# Altium PCB universkyNew.PcbDoc (continued)
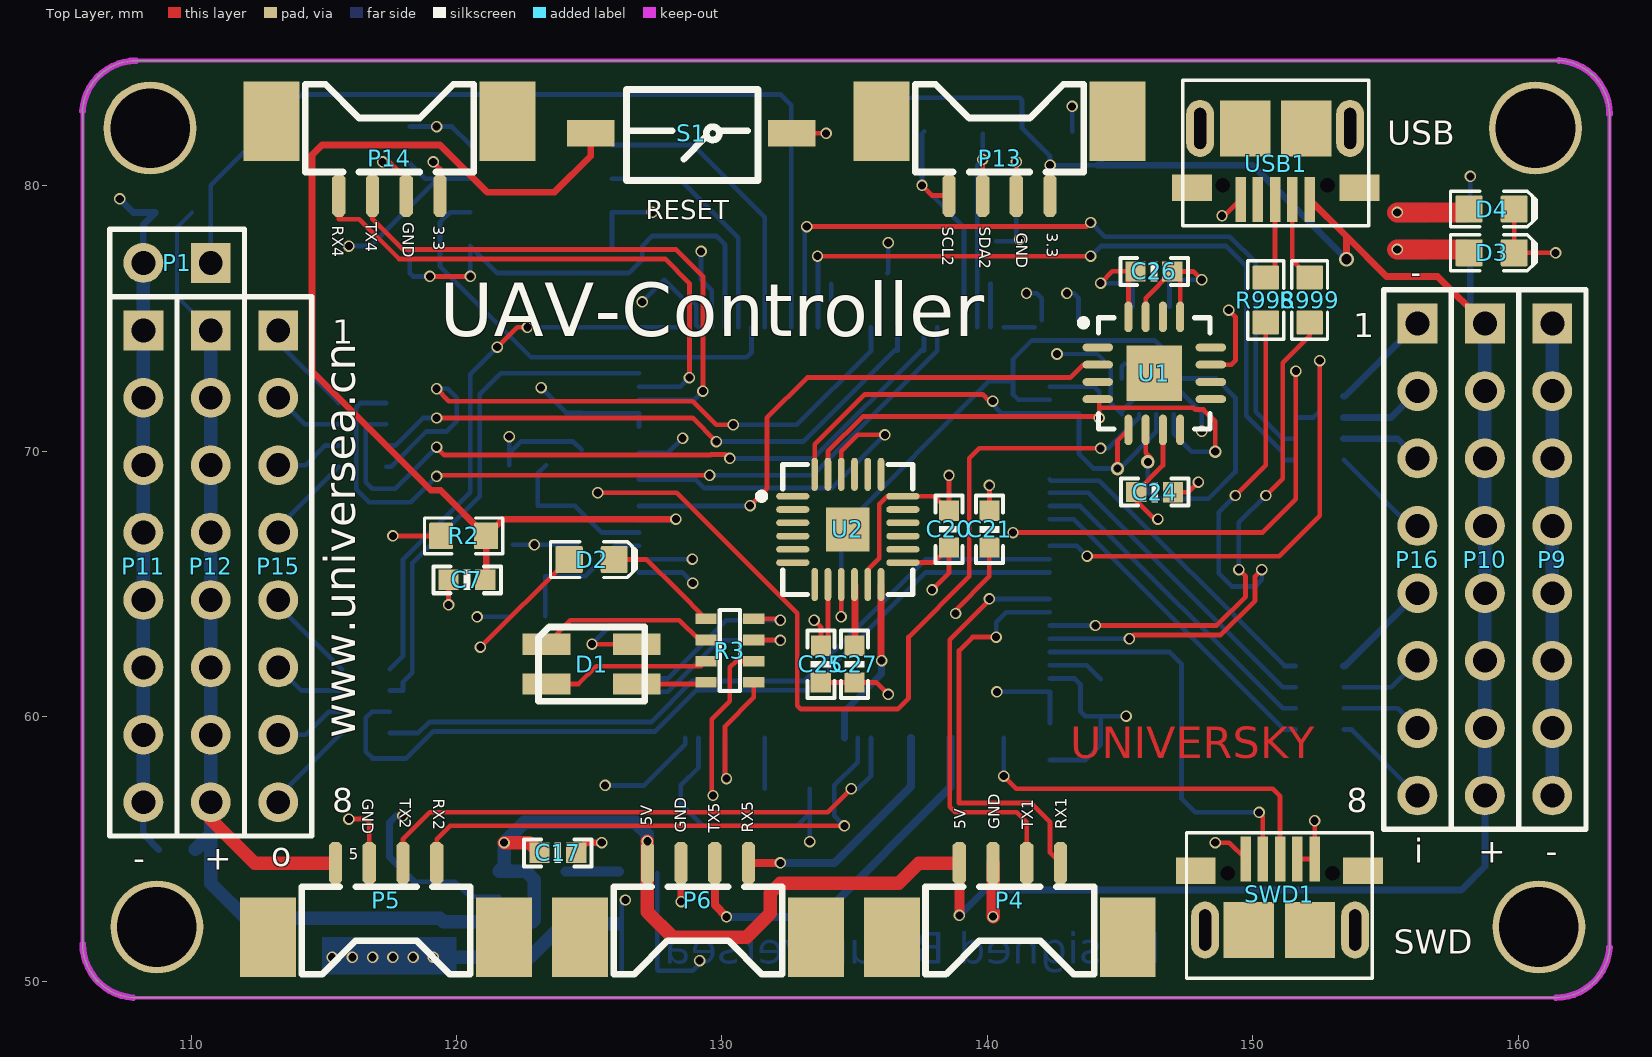
[diagram p0: Top Layer view]
## Footprints (in the part's own frame and the unit in brackets; to place one, negate y for a bottom-side part, rotate by r counter-clockwise, add the part's x,y. Pads: shape width x height; smd on the part's side, far side on the other; paste and mask are expansions set on the pad) (continued)

## Part data
B1: "MCU 32-Bit, ARM Cortex M4, 1MB Flash STMicroelectronics STM32F407VGT6, 32bit ARM Cortex M4F Microcontroller, 168MHz, 1024 kB Flash, 100-Pin LQFP"
B2: "LDO Regulator Pos 3.3V 0.5A MIC5219-3.3YM5 TR, Low Dropout Voltage Regulator, 0.5A, 3.3 V ??1%, 2.5 ??? 12 Vin, 5-Pin SOT-23"
C1 C2 C3 C4 C5 C6 C7 C8 C11 C12 C13 C14 C15 C16 C17 C18 C19 C20 C21 C22 C23 C24 C25 C26 C27 C28: "Capacitor"
C9 C10: library part CAP
D2 D3 D4: "Typical INFRARED GaAs LED"
P1: "Header, 2-Pin"
P2 P3 P7 P8 R3: library part "Header 4X2A", "Header, 4-Pin, Dual row"
P4 P5 P6 P13 P14: library part "Header 4", "Header, 4-Pin"
P9 P10 P11 P12 P15 P16: "Header, 8-Pin"
R1 R4 R7 R8 R9 R10 R11: "Resistor"
SWD1 USB1: "Header, 5-Pin"
Y1: "贴片有源晶振"

## Free pads (board coordinates)
  round 3.5 hole 3: 33(108.458,82.169) 33(108.712,52.07) 33(160.655,82.169) 33(160.782,52.07)

## Via types
v1: diameter 0.432, hole 0.305, Top Layer to Bottom Layer, 117 vias
v2: diameter 0.457, hole 0.305, Top Layer to Bottom Layer, 2 vias
v3: diameter 0.508, hole 0.305, Top Layer to Bottom Layer, 2 vias
v4: diameter 0.559, hole 0.381, Top Layer to Bottom Layer, 1 vias

## Nets (pads, with @x,y where several pads share a name; then routed paths per layer and width w, separated by ;. In a path a pad name is that pad's centre, name@x,y a point inside that pad or via, vN(x,y) a via of type N, cw(c..) or ccw(c..) an arc to the next point about the centre after c; other vN are vias at no path point)
3.3V: B1.6 B1.11 B1.19 B1.21 B1.22 B1.28 B1.50 B1.75 B1.100 B2.5 C2.2 C3.2 C4.2 C5.2 C6.2 C14.2 C15.2 C20.1 C21.1 C22.1 C23.1 C24.2 C25.2 C26.2 C28.1 D1.2 D2.1 P14.1 R2.2 R8.1 R11.2 SWD1.1 U1.7 U1.16 U2.8 U2.13 U3.6 U3.8 U4.3 U4.7 U4.8 | length 81.7
  Top Layer w0.178: v1(117.602,66.802) R2.2 ; v1(119.126,80.899) 119.38,80.645 P14.1 ; v1(120.904,62.611) 124.206,65.913 D2.1 ; v1(125.107,62.726) D1.2 ; v1(133.477,63.627) 133.732,63.372 C25.2 ; C25.2@133.997,62.933 U2.8 ; U2.13 137.99,65.798 C20.1 138.556,65.404 v1(137.922,64.77) ; v1(138.811,63.881) 138.811,64.008 140.08,65.277 C21.1 ; v1(144.272,76.327) 144.716,76.771 C26.2 ; U1.16 C26.2@145.318,76.502 ; v1(146.431,67.437) 146.304,67.437 145.612,68.129 C24.2 146.618,69.46 U1.7 146.618,70.044 ; v1(148.59,55.245) 149.12,55.245 SWD1.1
  Bottom Layer w0.178: v1(115.951,77.724) 116.752,77.724 R11.2 119.292,80.264 ; C28.1 118.816,80.264 119.292,80.264 ; U4.3 119.292,80.264 ; v1(123.19,72.39) 124.149,71.431 C6.2 ; B2.5 C14.2@126.16,52.263 ; C6.2@124.715,71.429 B1.22 B1.21 ; v1(125.107,62.726) 125.81,63.429 B1.6 ; v1(125.603,57.404) C3.2 128.62,58.953 B1.100 ; U4.8 U4.7 v1(127.381,78.994) ; C15.2 C14.2 126.227,52.948 v1(126.365,53.086) ; B1.11 v1(128.889,65.929) ; B1.19 127.968,69.929 v1(128.524,70.485) ; v1(129.216,77.527) C4.2 129.62,76.051 B1.28 ; v1(140.366,60.929) B1.75 ; B1.50 C2.2@141.794,74.667 ; v1(141.478,75.946) 141.872,75.946 142.056,75.762 C2.2 ; C5.2 B1.75@142.366,60.921 ; v1(144.272,76.327) C22.1@145.232,76.327 ; U3.8 145.072,73.19 145.161,73.279 146.304,73.279 146.372,73.211 U3.6 146.372,72.576 146.73,72.218 147.307,72.218 148.082,71.444 v1(148.082,70.739) ; C23.1 C22.1 ; R8.1 v1(158.203,80.352)
  Bottom Layer w0.508: v1(118.364,50.927) 122.769,50.927 B2.5
  other v1: 115.316,50.927 116.078,50.927 116.84,50.927 117.602,50.927 119.126,50.927
5V: B2.1 B2.3 C12.2 C13.2 C16.1 C17.1 C18.1 C19.1 P4.1 P5.1 P6.1 P10.1 P10.2 P10.3 P10.4 P10.5 P10.6 P10.7 P10.8 P12.1 P12.2 P12.3 P12.4 P12.5 P12.6 P12.7 P12.8 P13.1 R7.1 R9.1 R10.1 USB1.1 | length 153.6
  Top Layer w0.178: P13.1 v1(142.367,80.772)
  Top Layer w0.254: USB1.1 153.532,78.094 ; v4(153.532,77.227) 153.532,78.094 ; P10.1 156.972,76.581 155.045,76.581 153.532,78.094
  Top Layer w0.381: v1(138.947,52.504) P4.1
  Top Layer w0.508: P12.8 110.744,56.134 112.403,54.475 P5.1 ; v1(121.793,55.245) 122.753,55.245 C17.1 ; v1(127.195,55.3) P6.1 127.195,52.637 128.143,51.689 130.937,51.689 131.826,52.578 131.826,53.34 132.207,53.721 136.668,53.721 137.422,54.475 P4.1
  Bottom Layer w0.152: C16.1 109.474,78.43 109.474,75.819 P12.1
  Bottom Layer w0.178: R10.1 135.929,82.589 136.652,83.312 141.224,83.312 141.312,83.224 R9.1 142.367,81.114 v1(142.367,80.772) 144.145,80.772 144.583,81.21 C19.1
  Bottom Layer w0.254: v1(138.947,52.504) 139.91,53.467 157.861,53.467 158.75,54.356 P10.8 ; 144.145,80.772 149.987,80.772 v4(153.532,77.227) ; R7.1 158.203,74.969 P10.1@158.75,74.422
  Bottom Layer w0.508: C18.1 110.744,55.57 ; P12.1 P12.2 P12.3 P12.4 P12.5 P12.6 P12.7 P12.8 110.744,55.57 ; 122.875,52.263 B2.1 119.511,52.263 119.38,52.394 C12.2 112.071,52.394 110.744,53.721 110.744,55.57 ; 122.936,52.324 122.936,53.848 122.621,54.163 B2.3 121.793,54.351 v1(121.793,55.245) 122.555,56.007 126.746,56.007 127.195,55.558 v1(127.195,55.3) ; P10.8 P10.7 P10.6 P10.5 P10.4 P10.3 P10.2 P10.1@158.75,74.422
ADC_IN0/TIM5_CH1/USART4_TX: B1.23 P14.3 | length 21.1
  Top Layer w0.178: P14.3 116.84,78.74 117.983,77.597 128.27,77.597 129.286,76.581 v1(129.286,72.263)
  Bottom Layer w0.178: B1.23 128.952,71.929 v1(129.286,72.263)
ADC_IN1/TIM5_CH2/USART4_RX: B1.24 P14.4 | length 20.7
  Top Layer w0.178: P14.4 115.57,78.74 116.337,78.74 117.836,77.241 127.864,77.241 128.778,76.327 v1(128.778,72.771)
  Bottom Layer w0.178: B1.24 128.436,72.429 v1(128.778,72.771)
AGND: B1.20
BOOT0: B1.94 R1.1 | length 1.9
  Bottom Layer w0.178: R1.1@131.62,57.286 B1.94
BOOT1: B1.37 R4.2 | length 1.6
  Bottom Layer w0.178: B1.37 R4.2@134.12,76.296
DRDY: U1.10
GND: B1.10 B1.27 B1.74 B1.99 B2.2 C1.2 C2.1 C3.1 C4.1 C5.1 C6.1 C7.2 C8.1 C9.2 C10.1 C11.2 C12.1 C13.1 C14.1 C15.1 C16.2 C17.2 C18.2 C19.2 C20.2 C21.2 C22.2 C23.2 C24.1 C25.1 C26.1 C27.1 C28.2 D3.2 D4.2 P1.2 P4.2 P5.2 P6.2 P9.1 P9.2 P9.3 P9.4 P9.5 P9.6 P9.7 P9.8 P11.1 P11.2 P11.3 P11.4 P11.5 P11.6 P11.7 P11.8 P13.2 P14.2 R1.2 R4.1 S1.1 SWD1.4 SWD1.5 U1.11 U1.13 U1.15 U2.11 U2.18 U3.1 U3.7 U4.4 USB1.5 Y1.2 Y1.4 | length 159.7
  Top Layer w0.178: v1(115.951,56.134) 116.586,56.134 116.713,56.007 P5.2 ; v1(117.221,80.899) 117.475,80.899 118.11,80.264 P14.2 ; v1(119.704,64.205) C7.2 ; S1.1 v1(133.929,81.971) ; C25.1 C27.1 135.82,61.284 v1(136.271,60.833) ; U2.11 135.497,65.527 135.835,65.865 135.842,65.865 135.93,65.953 135.93,68.002 136.226,68.298 U2.18 138.008,68.298 C20.2 v1(138.558,69.087) ; C21.2 v1(140.082,68.706) ; P13.2 v1(141.097,80.899) ; U1.15 145.968,75.766 C26.1 147.767,76.769 v1(148.082,76.454) ; C24.1 147.573,68.452 v1(147.955,68.834) ; U1.13 C26.1@147.268,76.472 ; U1.11 149.2,73.254 149.352,73.406 149.352,75.057 v1(149.098,75.311) ; v1(148.844,78.867) 148.931,78.867 USB1.5 ; SWD1.4 SWD1.5 v1(152.334,56.073) ; D4.2 D3.2 v1(161.417,77.47)
  Top Layer w0.254: C17.2 124.899,55.245 v1(125.476,55.245) ; v1(128.465,53.027) P6.2
  Top Layer w0.508: v1(140.217,52.46) P4.2
  Bottom Layer w0.152: v2(142.621,73.66) 144.145,73.66 144.653,73.152 144.653,71.804 U3.1
  Bottom Layer w0.178: C28.2 119.831,82.226 U4.4 ; C12.1 C13.1 120.498,53.213 B2.2 ; v1(120.778,63.753) C9.2 ; C10.1 121.99,69.92 ; v1(121.99,70.542) 121.99,69.92 ; Y1.2@122.129,66.472 Y1.4 ; C6.1 124.404,70.358 122.428,70.358 121.99,69.92 ; B1.10 128.5,65.429 v1(128.905,65.024) ; v1(127,75.621) C4.1 ; C11.2 127.565,50.466 C15.1 128.904,50.42 129.159,50.675 v1(129.159,50.8) ; C4.1@127.762,76.383 C4.1 ; B1.99 129.12,58.071 C3.1 128.454,56.712 129.286,55.88 132.842,55.88 133.311,56.349 ; B1.27 129.037,74.75 129.037,75.515 128.88,75.671 128.614,75.671 C4.1 ; v1(133.311,55.284) 133.311,56.349 ; R1.2 133.311,56.349 ; R4.1 136.271,76.747 v1(136.271,77.851) ; C8.1 141.167,77.908 141.224,77.965 v1(141.224,77.978) ; v1@141.097,77.978 v1(141.097,80.899) ; B1.74 143.295,61.429 143.51,61.214 143.51,60.199 143.695,60.014 C1.2 ; C5.1 143.707,58.363 144.273,58.929 C1.2 ; v1(143.002,75.946) 143.256,75.946 143.44,75.762 C2.1 ; C19.2 v1(143.199,82.988) ; U3.1@145.072,71.501 145.722,72.151 U3.7 ; v1(145.231,60.014) C1.2 ; U3.7@145.722,72.583 U3.7 ; U3.7@145.722,72.619 U3.7 ; C23.2 C22.2 C22.2@146.997,76.582 ; C22.2@146.997,76.454 v1(148.082,76.454) 147.376,76.454
  Bottom Layer w0.254: v1(107.315,79.502) 107.824,78.993 C16.2 108.204,78.542 P1.2 P1.2@108.204,76.835 ; P11.8 108.204,55.568 C18.2 ; P11.7 P11.6 P11.5 P11.4 P11.3 P11.2 P11.1 ; v1(117.983,56.261) 117.729,56.261 117.475,56.007 117.475,54.712 C12.1
  Bottom Layer w0.508: P11.8 P11.7 P11.6 P11.5 P11.4 P11.3 P11.2 P11.1 P1.2@108.204,76.835 ; P9.8 P9.7 P9.6 P9.5 P9.4 P9.3 P9.2 P9.1
  other v1: 122.936,66.472 119.253,82.226
I2C1_SCL: B1.92
I2C1_SDA: B1.93
MPU_INT: B1.88 U2.12 | length 6.4
  Top Layer w0.254: v1@135.997,62.123 U2.12
  Bottom Layer w0.254: B1.88 134.62,60.198 136.017,61.595 v1(136.017,62.103) v1@135.997,62.123
NetB1_14: B1.14 C7.1 R2.1 S1.2 | length 40.5
  Top Layer w0.254: C7.1@121.119,65.181 R2.1 ; S1.2 125.062,81.12 123.698,79.756 121.158,79.756 119.38,81.534 114.935,81.534 114.554,81.153 114.554,73.008 119.037,68.525 119.396,68.525 R2.1 ; v1@128.27,67.429 121.746,67.429 R2.1
  Bottom Layer w0.254: B1.14 v1@128.27,67.429
  other v1: 128.27,67.437
NetB1_49: B1.49 C8.2 | length 1.6
  Bottom Layer w0.178: B1.49 C8.2@140.12,76.308
NetB1_73: B1.73 C1.1 | length 2.1
  Bottom Layer w0.178: B1.73 143.74,61.929 C1.1
NetB2_4: B2.4 C11.1 | length 2
  Bottom Layer w0.381: B2.4 C11.1@126.119,54.163
NetC27_2: C27.2 U2.10 | length 2.3
  Top Layer w0.254: U2.10 135.018,64.952 C27.2@135.018,62.684
NetD1_1: D1.1 R3.7 | length 6.7
  Top Layer w0.178: D1.1 124.296,63.627 128.397,63.627 129.14,62.884 R3.7
NetD1_3: D1.3 R3.6 | length 6.4
  Top Layer w0.178: D1.3 124.599,61.226 125.266,61.893 129.211,61.893 R3.6
NetD1_4: D1.4 R3.5 | length 2.6
  Top Layer w0.178: D1.4 129.344,61.226 R3.5
NetD2_2: D2.2 R3.8 | length 4.4
  Top Layer w0.178: D2.2 127.173,65.913 128.316,64.77 R3.8
NetD3_1: D3.1 R7.2 | length 3.6
  Top Layer w0.762: v1(155.448,77.597) D3.1@158.027,77.597
  Bottom Layer w0.762: v1(155.448,77.597) R7.2
NetD4_1: D4.1 R8.2 | length 3.6
  Top Layer w0.762: v1(155.448,78.994) D4.1@158.027,78.994
  Bottom Layer w0.762: v1(155.448,78.994) R8.2
NetR998_1: R998.1 USB1.3 | length 3.1
  Top Layer w0.178: R998.1 150.845,76.892 USB1.3
NetR999_1: R999.1 USB1.2 | length 3.2
  Top Layer w0.178: USB1.2 151.495,77.193 R999.1
OTG_FS_DM: B1.70 R999.2 | length 19.4
  Top Layer w0.178: v1(144.074,63.429) 148.646,63.429 149.733,64.516 149.733,65.278 v1(149.479,65.532) ; v1(150.495,68.326) 151.13,68.961 151.13,73.33 152.146,74.346 R999.2
  Bottom Layer w0.178: B1.70 v1(144.074,63.429) ; v1(149.479,65.532) 149.479,67.31 v1(150.495,68.326)
OTG_FS_DP: B1.71 R998.2 | length 22.1
  Top Layer w0.178: v1(145.352,62.929) 145.496,63.073 148.793,63.073 150.089,64.369 150.089,65.278 v1(150.343,65.532) ; v1(149.352,68.326) 150.495,69.469 R998.2
  Bottom Layer w0.178: B1.71 v1(145.352,62.929) ; v1(149.352,68.326) 148.717,67.691 148.717,65.405 149.225,64.897 150.089,64.897 150.343,65.151 v1(150.343,65.532)
PA8: B1.67
PC3: B1.18
PC4: B1.33
PC5_POWER_INPUT: B1.34 P1.1 | length 34.7
  Bottom Layer w0.178: P1.1 110.744,80.01 114.173,83.439 132.207,83.439 132.62,83.026 B1.34
PD8: B1.55
PD9: B1.56
PD10: B1.57
PD11: B1.58
PE0: B1.97 R3.1 | length 5.6
  Top Layer w0.178: v1@130.12,57.658 130.12,59.635 131.202,60.717 R3.1
  Bottom Layer w0.178: v1@130.12,57.658 B1.97
  other v1: 130.175,57.658
PE1: B1.98 R3.2 | length 8.3
  Top Layer w0.178: v1@129.62,57.023 129.62,59.897 130.302,60.579 130.302,61.849 130.537,62.084 R3.2
  Bottom Layer w0.178: v1@129.62,57.023 B1.98
  other v1: 129.667,57.023
PE2: B1.1 R3.3 | length 6.9
  Top Layer w0.178: R3.3 v1@132.188,62.884
  Bottom Layer w0.178: B1.1 127.97,60.929 129.906,62.865 131.953,62.865
  other v1: 132.207,62.865
PE3: B1.2 R3.4 | length 6.9
  Top Layer w0.178: R3.4 v1@132.15,63.684
  Bottom Layer w0.178: B1.2 127.967,61.429 130.165,63.627 131.953,63.627
  other v1: 132.207,63.627
PE4: B1.3
PE7: B1.38
PE8: B1.39
PE10: B1.41
PE12: B1.43
PH0_OSC_IN: B1.12 C9.1 Y1.1 | length 5.5
  Bottom Layer w0.178: C9.1@123.35,63.779 Y1.1 124.85,65.287 125.992,66.429 B1.12
PH1_OSC_OUT: B1.13 C10.2 Y1.3 | length 5.9
  Bottom Layer w0.178: C10.2 123.063,69.159 Y1.3 124.46,67.945 125.476,66.929 B1.13
PWMIN_1: P8.8 P16.1 | length 3.9
  Bottom Layer w0.254: P8.8 153.473,72.066 P16.1
PWMIN_2: P8.7 P16.2 | length 3.2
  Bottom Layer w0.254: P8.7 155.213,71.266 P16.2
PWMIN_3: P8.6 P16.3 | length 3.1
  Bottom Layer w0.254: P8.6 155.467,70.466 P16.3
PWMIN_4: P8.5 P16.4 | length 3.8
  Bottom Layer w0.178: P8.5 155.91,67.183 P16.4
PWMIN_5: P3.8 P16.5 | length 3.9
  Bottom Layer w0.254: P3.8 153.473,61.906 P16.5
PWMIN_6: P3.7 P16.6 | length 3.2
  Bottom Layer w0.178: P3.7 155.213,61.106 P16.6
PWMIN_7: P3.6 P16.7 | length 3.1
  Bottom Layer w0.178: P3.6 155.467,60.306 P16.7
PWMIN_8: P3.5 P16.8 | length 3.8
  Bottom Layer w0.178: P3.5 153.727,59.506 P16.8
PWMOUT_1: P2.5 P15.1 | length 3.7
  Bottom Layer w0.178: P15.1 113.284,74.087 P2.5
PWMOUT_2: P2.6 P15.2 | length 2.7
  Bottom Layer w0.178: P15.2 114.281,71.012 P2.6
PWMOUT_3: P2.7 P15.3 | length 2.6
  Bottom Layer w0.178: P15.3 114.319,69.469 115.062,70.212 P2.7
PWMOUT_4: P2.8 P15.4 | length 3.4
  Bottom Layer w0.178: P15.4 113.284,67.137 P2.8
PWMOUT_5: P7.5 P15.5 | length 3.6
  Bottom Layer w0.178: P15.5 113.284,64.181 P7.5
PWMOUT_6: P7.6 P15.6 | length 2.8
  Bottom Layer w0.178: P15.6 114.154,60.979 P7.6
PWMOUT_7: P7.7 P15.7 | length 2.8
  Bottom Layer w0.178: P15.7 114.319,59.309 115.189,60.179 P7.7
PWMOUT_8: P7.8 P15.8 | length 3.6
  Bottom Layer w0.178: P15.8 113.284,56.977 P7.8
SPI1_MISO: B1.31 U4.2 | length 17.1
  Bottom Layer w0.178: U4.2 119.761,78.994 119.38,78.613 119.38,76.962 122.809,73.533 130.937,73.533 131.12,73.716 B1.31
SPI1_MOSI: B1.32 U4.5 | length 11
  Bottom Layer w0.178: U4.5 128.905,81.534 131.62,78.819 B1.32
SPI1_NSS: B1.29 R11.1 U4.1 | length 18.4
  Top Layer w0.178: v1(118.999,76.581) v1(120.523,76.581)
  Bottom Layer w0.178: R11.1 118.237,76.708 118.364,76.581 v1(118.999,76.581) ; v1(120.523,76.581) U4.1 121.539,76.708 126.492,76.708 127,77.216 127,77.724 127.381,78.105 129.794,78.105 130.12,77.779 B1.29
SPI1_SCK: B1.30 U4.6 | length 9.1
  Bottom Layer w0.178: U4.6 128.397,80.264 130.62,78.041 B1.30
SPI2_CS1: B1.17 U2.22 | length 13
  Top Layer w0.178: U2.22 134.497,69.986 135.123,70.612 v1(136.144,70.612)
  Bottom Layer w0.178: B1.17 129.017,68.929 129.34,68.605 131.699,68.605 134.137,68.605 v1(136.144,70.612)
SPI2_CS2: B1.15 U1.2 | length 21.1
  Top Layer w0.178: v1(131.064,67.945) 131.699,68.58 131.699,71.247 133.223,72.771 143.129,72.771 143.612,73.254 U1.2
  Bottom Layer w0.178: B1.15 131.048,67.929 v1(131.064,67.945)
SPI2_CS3: B1.16 U3.2 | length 36
  Top Layer w0.178: v1(125.325,68.429) 128.294,68.429 132.842,63.881 132.842,60.406 132.969,60.279 136.621,60.279 137.033,60.691 137.033,62.992 139.319,65.278 139.319,69.723 139.7,70.104 v1(144.272,70.104)
  Bottom Layer w0.178: v1(125.325,68.429) B1.16 ; v1(144.272,70.104) 144.557,70.104 145.722,71.269 U3.2
SPI2_MISO: B1.53 U1.6 U2.9 U3.5 | length 36.8
  Top Layer w0.152: U1.6 U1.6@145.968,71.292
  Top Layer w0.178: v1(134.497,63.758) U2.9 ; U1.6 145.968,69.932 146.177,69.723 v3(146.05,69.596) ; v3(146.05,69.596) 146.05,69.723 146.177,69.596 146.177,69.486 146.169,69.477 v3(146.05,69.596)
  Bottom Layer w0.178: v1(134.497,63.758) 134.497,67.06 140.081,72.644 140.97,72.644 ; B1.53 141.177,71.929 140.97,72.136 140.97,72.644 ; v3@146.177,69.723 v3(146.05,69.596) ; 140.97,72.644 140.97,73.452 141.686,74.168 146.304,74.168 147.066,73.406 147.066,72.779 U3.5 148.626,72.735 149.352,72.009 149.352,69.215 148.336,68.199 146.304,68.199 146.05,68.453 v3(146.05,69.596) ; v3(146.05,69.596) 146.05,69.723 v3(146.05,69.596)
SPI2_MOSI: B1.54 U1.5 U2.24 U3.3 | length 19.9
  Top Layer w0.178: U2.24 133.497,70.251 135.382,72.136 139.827,72.136 140.081,71.882 v1(140.208,71.882) ; v3(144.907,69.342) 144.907,70.39 U1.5
  Bottom Layer w0.178: v1(140.208,71.882) 140.081,71.882 140.144,71.819 140.534,71.429 B1.54 143.455,71.429 143.455,69.905 144.018,69.342 v3(144.907,69.342) ; v3@144.993,69.342 146.372,70.721 U3.3
SPI2_NSS: B1.51
SPI2_SCK: B1.52 U1.4 U2.23 U3.4 | length 23.6
  Top Layer w0.178: U2.23 133.997,69.989 135.309,71.301 144.164,71.301 v1(144.218,71.247) 144.218,71.628 ; U1.4 144.218,71.9 144.218,71.628 ; v2(148.59,69.977) 148.59,71.12 148.147,71.563 147.835,71.563 147.77,71.628 144.218,71.628
  Bottom Layer w0.178: B1.52 144.028,72.429 144.218,72.239 v1(144.218,71.247) ; U3.4 147.022,70.656 147.701,69.977 v2(148.59,69.977)
SWCLK: B1.76 SWD1.3 | length 14.5
  Top Layer w0.178: v1(140.62,57.754) 141.097,57.277 150.749,57.277 151.034,56.992 SWD1.3
  Bottom Layer w0.178: v1(140.62,57.754) B1.76
SWDIO: B1.72 SWD1.2 | length 15.2
  Top Layer w0.178: v1(150.241,56.388) 150.384,56.245 SWD1.2
  Bottom Layer w0.178: B1.72 146.867,62.429 147.32,61.976 147.32,56.896 147.828,56.388 v1(150.241,56.388)
TIM1_CH1: B1.40 P2.4 | length 24.1
  Top Layer w0.178: v1(119.253,72.348) 119.719,71.882 128.905,71.882 129.794,70.993 v1(130.429,70.993)
  Bottom Layer w0.178: P2.4 117.545,69.412 118.872,70.739 119.634,70.739 120.015,71.12 120.015,72.009 119.676,72.348 v1(119.253,72.348) ; v1(130.429,70.993) 132.826,70.993 135.62,73.787 B1.40
TIM1_CH2: B1.42 P2.3 | length 22.4
  Top Layer w0.178: v1(119.253,71.247) 128.905,71.247 v1(129.794,70.358)
  Bottom Layer w0.178: P2.3 117.71,70.212 118.745,71.247 v1(119.253,71.247) ; v1(129.794,70.358) 133.076,70.358 136.505,73.787 136.62,73.787 B1.42
TIM1_CH3: B1.44 P2.2 | length 27.4
  Top Layer w0.178: v1(119.253,70.146) 119.549,69.85 129.569,69.85 129.594,69.875 130.15,69.875 v1(130.302,69.723)
  Bottom Layer w0.178: P2.2 116.732,71.012 116.581,70.861 116.581,68.829 116.831,68.58 117.687,68.58 v1(119.253,70.146) ; v1(130.302,69.723) 133.441,69.723 137.505,73.787 137.62,73.787 B1.44
TIM1_CH4: B1.45 P2.1 | length 29.6
  Top Layer w0.178: v1(119.253,69.046) 119.295,69.088 v1(129.54,69.088)
  Bottom Layer w0.178: P2.1 116.389,71.812 116.226,71.649 116.226,68.559 116.713,68.072 118.279,68.072 v1(119.253,69.046) ; v1(129.54,69.088) 133.424,69.088 138.12,73.784 B1.45
TIM2_CH2: B1.89
TIM3_CH1: B1.63 P8.4 | length 18.3
  Top Layer w0.178: v1(140.97,66.929) 150.368,66.929 151.627,68.188 v1(151.627,73.014)
  Bottom Layer w0.178: v1(140.97,66.929) B1.63 ; P8.4 v1(151.627,73.014)
TIM3_CH2: B1.64 P8.3 | length 19.7
  Top Layer w0.178: v1(143.764,66.04) 151.003,66.04 152.527,67.564 v1(152.527,73.406)
  Bottom Layer w0.178: B1.64 143.375,66.429 v1(143.764,66.04) ; P8.3 152.292,71.266 152.527,71.501 v1(152.527,73.406)
TIM3_CH3: B1.35 P8.2 | length 29
  Top Layer w0.178: v1(133.198,78.461) 141.732,78.461 143.739,78.461 v1(143.891,78.613)
  Bottom Layer w0.178: B1.35 133.12,78.383 v1(133.198,78.461) ; v1(143.891,78.613) 144.424,78.08 149.144,78.08 150.114,77.109 150.114,71.482 151.13,70.466 P8.2
TIM3_CH4: B1.36 P8.1 | length 27.9
  Top Layer w0.178: v1(133.604,77.343) 142.24,77.343 ; 141.986,77.343 142.24,77.343 ; v1(143.891,77.343) 142.24,77.343
  Bottom Layer w0.178: B1.36 v1@133.62,77.327 ; v1(143.891,77.343) 144.272,77.724 148.996,77.724 149.758,76.962 149.758,71.335 151.13,69.963 151.13,69.666 P8.1
TIM4_CH1: B1.59 P3.4 | length 12.2
  Bottom Layer w0.178: B1.59 142.402,68.885 144.221,68.885 151.2,61.906 P3.4
TIM4_CH2: B1.60 P3.3 | length 12.3
  Bottom Layer w0.178: B1.60 143.807,68.429 151.13,61.106 P3.3
TIM4_CH3: B1.61 P3.2 | length 12.4
  Bottom Layer w0.178: B1.61 143.507,67.929 151.13,60.306 P3.2
TIM4_CH4: B1.62 P3.1 | length 12.6
  Bottom Layer w0.178: B1.62 143.256,67.429 151.13,59.555 151.13,59.506 P3.1
TIM5_CH3: B1.25 P7.2 | length 19.2
  Bottom Layer w0.178: P7.2 117.983,60.979 117.983,61.299 118.339,61.654 118.339,65.766 120.879,68.306 120.879,72.136 121.672,72.929 B1.25
TIM5_CH4: B1.26 P7.1 | length 21.2
  Top Layer w0.178: v1(121.539,73.914) 122.292,74.667 v1(122.673,74.667)
  Bottom Layer w0.178: P7.1 117.983,62.276 117.983,65.913 120.523,68.453 120.523,72.898 v1(121.539,73.914) ; v1(122.673,74.667) B1.26
TIM8_CH3: B1.65 P7.4 | length 27.6
  Bottom Layer w0.178: P7.4 118.566,59.379 118.979,59.792 127.335,59.792 128.885,61.341 133.099,61.341 137.687,65.929 B1.65
TIM8_CH4: B1.66 P7.3 | length 31
  Bottom Layer w0.178: P7.3 116.821,60.179 116.586,59.944 116.586,58.674 116.84,58.42 118.11,58.42 119.126,59.436 127.483,59.436 129.032,60.985 133.246,60.985 137.69,65.429 B1.66
TIM9_CH1: B1.4
TIM9_CH2: B1.5
USART1_RX: B1.69 P4.4 | length 15.5
  Top Layer w0.178: v1(140.335,62.992) 139.446,62.992 138.938,62.484 138.938,56.744 141.63,56.744 142.367,56.007 142.367,54.865 P4.4
  Bottom Layer w0.178: v1(140.335,62.992) 140.335,63.548 140.716,63.929 B1.69
USART1_TX: B1.68 P4.3 | length 15.4
  Top Layer w0.178: v1(140.081,64.429) 140.081,64.384 138.582,62.885 138.582,56.596 138.791,56.388 141.106,56.388 141.487,56.007 P4.3
  Bottom Layer w0.178: v1(140.081,64.429) B1.68
USART2_RX: B1.87 P5.4 | length 20.3
  Top Layer w0.178: P5.4 119.253,55.372 119.761,55.88 v1(134.62,55.88)
  Bottom Layer w0.178: v1(134.62,55.88) 134.239,56.261 134.239,57.404 135.12,58.285 B1.87
USART2_TX: B1.86 P5.3 | length 20.9
  Top Layer w0.178: P5.3 117.983,55.372 118.999,56.388 133.985,56.388 v1(134.874,57.277)
  Bottom Layer w0.178: v1(134.874,57.277) 135.128,57.277 135.62,57.769 B1.86
USART3_RX/SDA2: B1.48 P13.3 R9.2 | length 8.7
  Top Layer w0.178: P13.3 v1(139.827,80.986)
  Bottom Layer w0.178: B1.48 139.62,80.779 v1(139.827,80.986) R9.2@139.827,81.954
USART3_TX/SCL2: B1.47 P13.4 R10.2 | length 9.4
  Top Layer w0.178: v1(137.541,80.01) 137.922,79.629 P13.4
  Bottom Layer w0.178: v1@137.629,80.098 v1(137.541,80.01) ; R10.2 137.541,81.954 v1(137.541,80.01) ; B1.47 139.12,78.431 v1(137.541,80.01)
USART5_RX: B1.83 P6.4 | length 9.4
  Top Layer w0.305: P6.4 v1@132.199,54.475
  Bottom Layer w0.305: v1(132.207,54.483) 133.223,54.483 ; 132.969,54.483 133.223,54.483 ; B1.83 137.12,57.364 134.239,54.483 133.223,54.483
USART5_TX: B1.80 P6.3 | length 14.5
  Top Layer w0.305: P6.3 129.735,52.891 v1(130.175,52.451)
  Bottom Layer w0.305: v1(130.175,52.451) 133.731,52.451 138.62,57.34 B1.80
pads on no net: B1.7 B1.8 B1.9 B1.46 B1.77 B1.78 B1.79 B1.81 B1.82 B1.84 B1.85 B1.90 B1.91 B1.95 B1.96 P4.5 P4.6 P5.5 P5.6 P6.5 P6.6 P13.5 P13.6 P14.5 P14.6 SWD1. U1.1 U1.3 U1.8 U1.9 U1.12 U1.14 U1.17 U2.1 U2.2 U2.3 U2.4 U2.5 U2.6 U2.7 U2.14 U2.15 U2.16 U2.17 U2.19 U2.20 U2.21 U2.25 U4.9 USB1. USB1.4

## Polygon pours and split planes (outlines as drawn)
GND on GND (split plane): 161.754,84.178 161.918,84.131 162.076,84.066 162.226,83.983 162.365,83.884 162.493,83.77 162.606,83.643 162.705,83.503 162.788,83.354 162.853,83.196 162.901,83.032 162.929,82.863 162.938,82.708 162.937,82.693 162.939,82.673 162.939,51.323 162.935,51.267 162.907,51.099 162.859,50.934 162.794,50.777 162.711,50.627 162.613,50.488 162.499,50.36 162.371,50.246 162.232,50.147 162.082,50.065 161.924,49.999 161.76,49.952 161.592,49.923 161.436,49.915 161.421,49.916 161.394,49.913 107.862,49.913 107.853,49.914 107.853,49.917 107.779,49.921 107.611,49.949 107.447,49.997 107.289,50.062 107.139,50.145 107,50.244 106.872,50.357 106.759,50.485 106.66,50.624 106.577,50.774 106.512,50.932 106.464,51.096 106.436,51.264 106.427,51.42 106.428,51.435 106.428,82.805 106.423,82.862 106.449,83.014 106.496,83.178 106.561,83.336 106.644,83.486 106.743,83.625 106.857,83.753 106.984,83.866 107.124,83.965 107.273,84.048 107.431,84.113 107.595,84.161 107.764,84.189 107.919,84.198 107.934,84.197 107.954,84.199 161.545,84.199 161.602,84.204
3.3V on 3.3V (split plane): 161.754,84.178 161.918,84.131 162.076,84.066 162.226,83.983 162.365,83.884 162.493,83.77 162.606,83.643 162.705,83.503 162.788,83.354 162.853,83.196 162.901,83.032 162.929,82.863 162.938,82.708 162.937,82.693 162.939,82.673 162.939,51.323 162.935,51.267 162.907,51.099 162.859,50.934 162.794,50.777 162.711,50.627 162.613,50.488 162.499,50.36 162.371,50.246 162.232,50.147 162.082,50.065 161.924,49.999 161.76,49.952 161.592,49.923 161.436,49.915 161.421,49.916 161.394,49.913 107.862,49.913 107.853,49.914 107.853,49.917 107.779,49.921 107.611,49.949 107.447,49.997 107.289,50.062 107.139,50.145 107,50.244 106.872,50.357 106.759,50.485 106.66,50.624 106.577,50.774 106.512,50.932 106.464,51.096 106.436,51.264 106.427,51.42 106.428,51.435 106.428,82.805 106.423,82.862 106.449,83.014 106.496,83.178 106.561,83.336 106.644,83.486 106.743,83.625 106.857,83.753 106.984,83.866 107.124,83.965 107.273,84.048 107.431,84.113 107.595,84.161 107.764,84.189 107.919,84.198 107.934,84.197 107.954,84.199 161.545,84.199 161.602,84.204

## Keep-outs
Keep-Out Layer:
  lines w0.15: 105.918,51.435 105.918,82.805 ; 107.82,49.403 161.421,49.403 ; 107.934,84.709 161.545,84.709 ; 163.449,51.308 163.449,82.693
  lines w0.254: 105.906,82.805 cw(c107.934,82.675) 107.934,84.707 ; 105.918,51.435 ccw(c107.95,51.435) 107.82,49.407 ; 161.421,49.406 ccw(c161.421,51.438) 163.449,51.308 ; 161.545,84.721 cw(c161.415,82.693) 163.447,82.693

## Other copper
Top Layer:
  text "UNIVERSKY" at 143.129,58.039 h2.03
Bottom Layer:
  rectangle net 3.3V: 124.46,51.943 126.227,52.451
  rectangle net 3.3V: 114.935,50.284 119.997,51.689
  text "Designed By universea" at 146.558,50.292 h2.03

## Silkscreen, mask and mechanical layers (free items; w line width, h text height)
Top Overlay:
  text "USB" at 155.067,81.534 h0.91
  text "RESET" at 127.127,78.74 h0.71
  text "TX4" at 116.586,78.613 h0.43 r270
  text "GND" at 117.983,78.613 h0.43 r270
  text "RX4" at 115.316,78.486 h0.43 r270
  text "3.3" at 119.126,78.486 h0.43 r270
  text "SCL2" at 138.303,78.461 h0.43 r270
  text "SDA2" at 139.7,78.461 h0.43 r270
  text "GND" at 141.097,78.232 h0.43 r270
  text "3.3" at 142.24,78.232 h0.43 r270
  text "-" at 155.956,76.327 h0.8
  text "1" at 153.797,74.295 h0.91
  text "1" at 115.316,74.041 h0.91
  text "UAV-Controller" at 119.38,73.66 h3.45
  text "www.universea.cn" at 116.586,59.182 h2.03 r90
  text "GND" at 116.459,56.896 h0.43 r270
  text "TX2" at 117.856,56.896 h0.43 r270
  text "RX2" at 119.126,56.896 h0.43 r270
  text "8" at 115.316,56.388 h0.91
  text "8" at 153.543,56.388 h0.91
  text "5V" at 127.381,55.88 h0.43 r90
  text "5V" at 139.192,55.753 h0.43 r90
  text "GND" at 140.462,55.753 h0.43 r90
  text "TX1" at 141.732,55.753 h0.43 r90
  text "RX1" at 143.002,55.753 h0.43 r90
  text "GND" at 128.651,55.626 h0.43 r90
  text "TX5" at 129.921,55.626 h0.43 r90
  text "RX5" at 131.191,55.626 h0.43 r90
  text "5" at 115.951,54.61 h0.43
  text "i" at 156.083,54.483 h0.91
  text "+" at 158.496,54.483 h0.91
  text "-" at 161.036,54.483 h0.91
  text "o" at 113.03,54.356 h0.91
  text "-" at 107.823,54.229 h0.91
  text "+" at 110.49,54.229 h0.91
  text "SWD" at 155.321,51.054 h0.91
Top Solder:
  text "UNIVERSKY" at 143.129,58.039 h2.03
Bottom Solder:
  text "Designed By universea" at 146.558,50.292 h2.03